# Altium PCB motordriver-v5.2.PcbDoc (part 1 of 7) (continued)
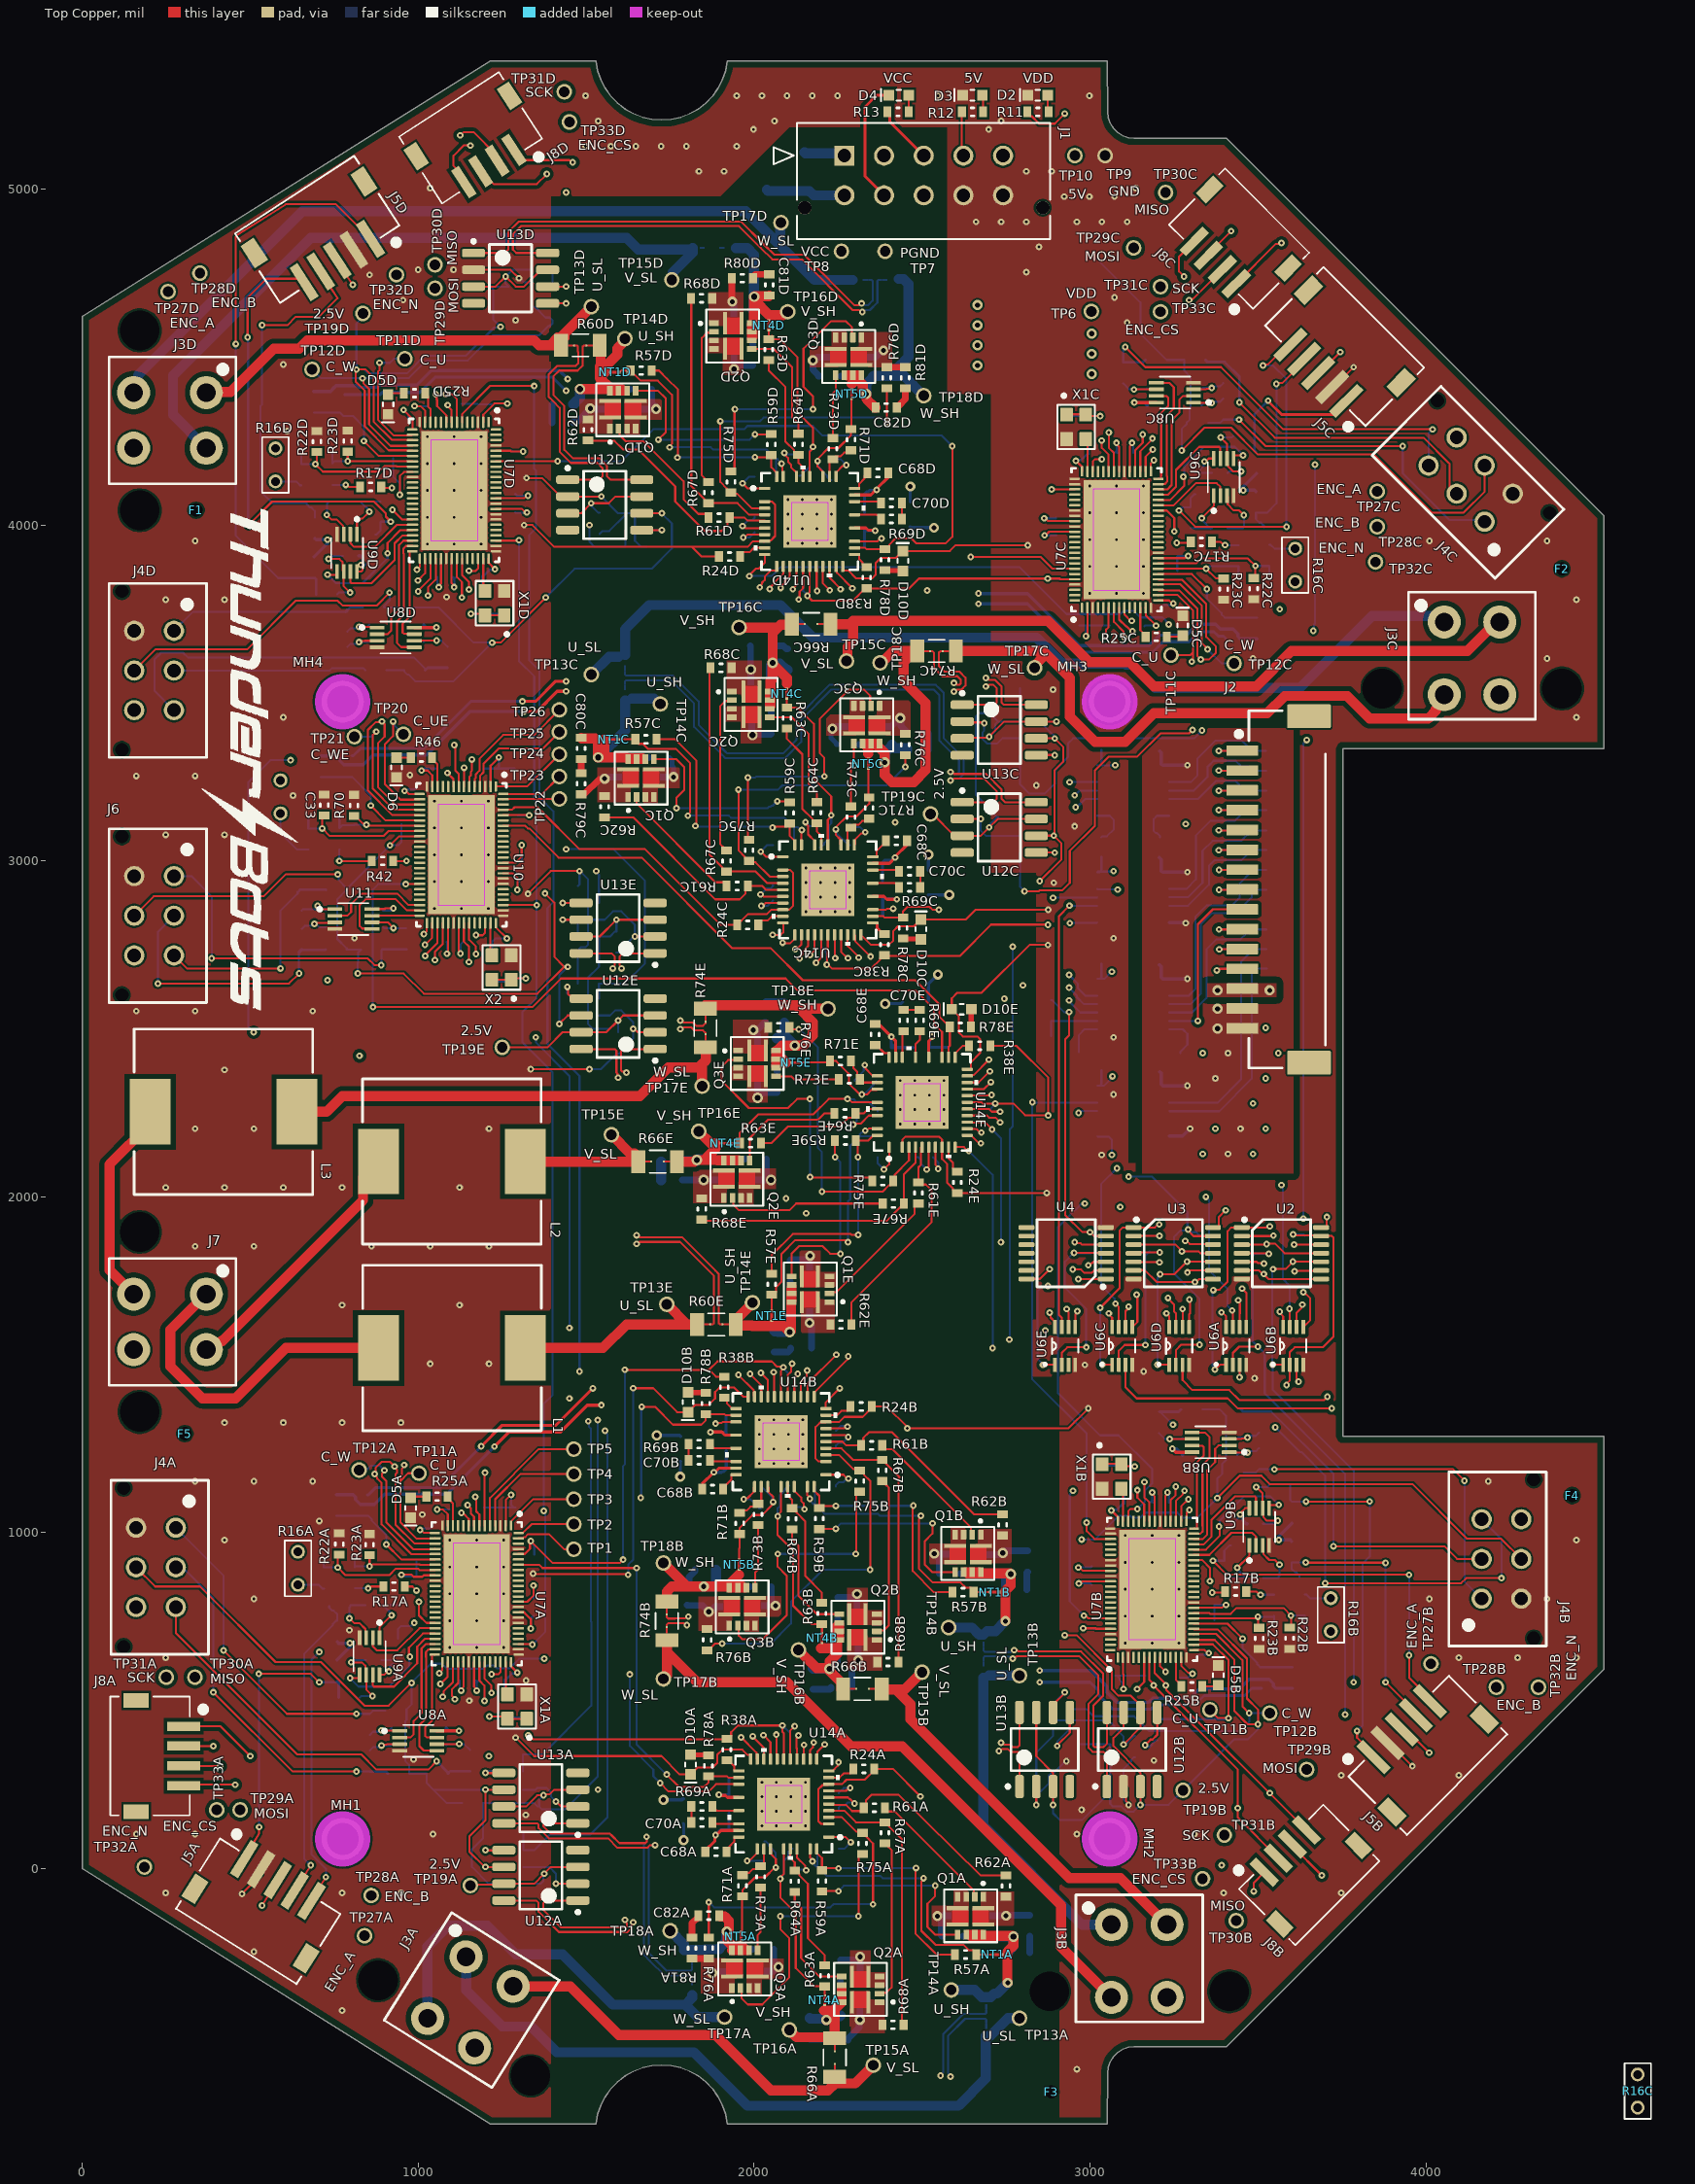
[diagram p0: Top Copper view]
## Design rules (kind name [scope] priority, off if disabled: settings) (continued)
Width Width_Signals [InNetClass('Signals')] p2: maxlimit=10 minlimit=6 preferedwidth=6
Width Width_Phases [InNetClass('Phases')] p3: maxlimit=40 minlimit=28 preferedwidth=30
Width Width_VCC [InNetClass('VCC')] p4: maxlimit=40 minlimit=9 preferedwidth=30
Width [All] p5: maxlimit=100 minlimit=6 preferedwidth=15
21 further rules are at their usual default settings.

## Classes and differential pairs
net class DiffPairs: V_SENSE_HA V_SENSE_HB V_SENSE_HC V_SENSE_HD V_SENSE_HE V_SENSE_LA V_SENSE_LB V_SENSE_LC V_SENSE_LD V_SENSE_LE
channel class isolation: U_isolation_0 U_isolation_1
channel class isolation-alt: U_isolation_2 U_isolation_3
component class "LP Filter 11": C52L R77L
net class Phases: U_L1 U_SWA U_SWB U_SWC U_SWD U_SWE UA UB UC UD UE V_L2 V_SWA V_SWB V_SWC V_SWD V_SWE VA VB VC VD VE W_L3 W_SWA W_SWB W_SWC W_SWD W_SWE WA WB WC WD WE
channel class trinamic-controller: "Trinamic Controller 0" "Trinamic Controller 1" "Trinamic Controller 2" "Trinamic Controller 3"
channel class low-pass-filter: "LP Filter 0" "LP Filter 1" "LP Filter 2" "LP Filter 3" "LP Filter 4" "LP Filter 5" "LP Filter 6" "LP Filter 7" "LP Filter 8" "LP Filter 9" "LP Filter 10" "LP Filter 11"
channel class driver-power-stage: "Driver Power Stage 0" "Driver Power Stage 1" "Driver Power Stage 2" "Driver Power Stage 3" "Driver Power Stage 4"
channel class demux: "Demux 0" "Demux 1" "Demux 2" "Demux 3" "Demux 4"
channel class current_amplification: "Current Amplification 0" "Current Amplification 1" "Current Amplification 2" "Current Amplification 3" "Current Amplification 4"
channel class connectors: "Connectors 0" "Connectors 1" "Connectors 2" "Connectors 3"
component class U_isolation_3: C75B C76B U15B
component class Power: C1 C2 D1 D2 D3 D4 J1 R11 R12 R13 TP6 TP7 TP8 TP9 TP10 U1
component class "LP Filter 10": C52K R77K
component class "LP Filter 9": C52J R77J
component class "LP Filter 8": C52I R77I
component class "LP Filter 7": C52H R77H
component class "LP Filter 6": C52G R77G
component class "LP Filter 5": C52F R77F
component class "LP Filter 4": C52E R77E
component class "LP Filter 3": C52D R77D
component class "LP Filter 2": C52C R77C
component class "LP Filter 1": C52B R77B
component class "LP Filter 0": C52A R77A
component class "Demux 4": U6E
component class "Demux 3": U6D
component class "Demux 2": U6C
component class "Demux 1": U6B
component class "Demux 0": U6A
net class HIGHFREQ: CS0 CS0_FILTER CS0_ISO CS1 CS1_FILTER CS1_ISO CS2 CS2_FILTER CS2_ISO CS3 CS3_FILTER CS3_ISO CS4 CS4_FILTER CS4_ISO CTRL_C\S\A CTRL_C\S\B CTRL_C\S\C CTRL_C\S\D CTRL_C\S\E DRV_C\S\A DRV_C\S\B DRV_C\S\C DRV_C\S\D DRV_C\S\E MISO MISO_CTRL0 MISO_CTRL1 MISO_CTRL2 MISO_CTRL3 MISO_CTRL4 MISO_DRV0 MISO_DRV1 MISO_DRV2 MISO_DRV3 MISO_DRV4 MISO_FILTER MISO_ISO MOSI MOSI_FILTER MOSI_ISO MUX_SEL_0 MUX_SEL_1 MUX_SEL_FILTER_0 MUX_SEL_FILTER_1 MUX_SEL_ISO_0 MUX_SEL_ISO_1 SCK SCK_FILTER SCK_ISO ~ENC_CS0 ~ENC_CS1 ~ENC_CS2 ~ENC_CS3
net class Signals: 2.5V_REFA 2.5V_REFB 2.5V_REFC 2.5V_REFD 2.5V_REFE 5VOUTA 5VOUTB 5VOUTC 5VOUTD 5VOUTE 12VOUTA 12VOUTB 12VOUTC 12VOUTD 12VOUTE ADC_VMA ADC_VMB ADC_VMC ADC_VMD ADC_VME CHIP_TEMPA CHIP_TEMPB CHIP_TEMPC CHIP_TEMPD CHIP_TEMPE CHIP_THERMA CHIP_THERMB CHIP_THERMC CHIP_THERMD CHIP_THERME CLK_ENA CLK_ENB CLK_ENC CLK_END CLK_ENE CLKA CLKB CLKC CLKD CLKE CPI_CAPA CPI_CAPB CPI_CAPC CPI_CAPD CPI_CAPE CPIA CPIB CPIC CPID CPIE CPOA CPOB CPOC CPOD CPOE CS0 CS0_FILTER CS0_ISO CS1 CS1_FILTER CS1_ISO CS2 CS2_FILTER CS2_ISO CS3 CS3_FILTER CS3_ISO CS4 CS4_FILTER CS4_ISO CTRL_C\S\A CTRL_C\S\B CTRL_C\S\C CTRL_C\S\D CTRL_C\S\E CTRL_EN CTRL_EN_FILTER CTRL_EN_ISO CUA CUB CUC CUD CUE CUR_OUT1A CUR_OUT1B CUR_OUT1C CUR_OUT1D CUR_OUT1E CUR_OUT2A CUR_OUT2B CUR_OUT2C CUR_OUT2D CUR_OUT2E CUR_UA CUR_UB CUR_UC CUR_UD CUR_UE CUR_WA CUR_WB CUR_WC CUR_WD CUR_WE CVA CVB CVC CVD CVE CWA CWB CWC CWD CWE D\B\G\S\P\I\_\C\S\E DBGSPI_MISOB DBGSPI_MISOC DBGSPI_MISOD DBGSPI_MISOE DBGSPI_MOSIB DBGSPI_MOSIC DBGSPI_MOSID DBGSPI_MOSIE DBGSPI_SCKB DBGSPI_SCKC DBGSPI_SCKD DBGSPI_SCKE DBGSPI_TRGB DBGSPI_TRGC DBGSPI_TRGD DBGSPI_TRGE DIS1A DIS2A DRB_TEMPE DRB_THERME DRV_C\S\A DRV_C\S\B DRV_C\S\C DRV_C\S\D DRV_C\S\E DRV_EN DRV_ENA DRV_ENB DRV_ENC DRV_END ENC_A_CTRLA ENC_A_CTRLB ENC_A_CTRLC ENC_A_CTRLD ENC_AA ENC_AB ENC_AC ENC_AD ENC_B_CTRLA ENC_B_CTRLB ENC_B_CTRLC ENC_B_CTRLD ENC_BA ENC_BB ENC_BC ENC_BD ENC_N_CTRLA ENC_N_CTRLB ENC_N_CTRLC ENC_N_CTRLD ENC_TRIG1A ENC_TRIG1B ENC_TRIG1C ENC_TRIG1D ENC_TRIG2A ENC_TRIG2B ENC_TRIG2C ENC_TRIG2D ENC_TRIG3A ENC_TRIG3B ENC_TRIG3C ENC_TRIG3D ENCA_N ENCB_N ENCC_N ENCD_N FAULT FAULTA FAULTB FAULTC FAULTD HALL_TRIG1A HALL_TRIG1B HALL_TRIG1C HALL_TRIG1D HALL_TRIG1E HALL_TRIG2A HALL_TRIG2B HALL_TRIG2C HALL_TRIG2D HALL_TRIG2E HALL_TRIG3A HALL_TRIG3B HALL_TRIG3C HALL_TRIG3D HALL_TRIG3E HALL_UX_CTRLA HALL_UX_CTRLB HALL_UX_CTRLC HALL_UX_CTRLD HALL_UX_CTRLE HALL_UXA HALL_UXB HALL_UXC HALL_UXD HALL_UXE HALL_V_CTLRA HALL_V_CTLRB HALL_V_CTLRC HALL_V_CTLRD HALL_V_CTLRE HALL_VA HALL_VB HALL_VC HALL_VD HALL_VE HALL_WY_CTRLA HALL_WY_CTRLB HALL_WY_CTRLC HALL_WY_CTRLD HALL_WY_CTRLE HALL_WYA HALL_WYB HALL_WYC HALL_WYD HALL_WYE HSG1A HSG1B HSG1C HSG1D HSG1E HSG2A HSG2B HSG2C HSG2D HSG2E HSG3A HSG3B HSG3C HSG3D HSG3E HSUA HSUB HSUC HSUD HSUE HSVA HSVB HSVC HSVD HSVE HSWA HSWB HSWC HSWD HSWE LED3V3 LED5V LEDA LEDB LEDC LEDD LEDE LEDVCC LSG1A LSG1B LSG1C LSG1D LSG1E LSG2A LSG2B LSG2C LSG2D LSG2E LSG3A LSG3B LSG3C LSG3D LSG3E LSUA LSUB LSUC LSUD LSUE LSVA LSVB LSVC LSVD LSVE LSWA LSWB LSWC LSWD LSWE MOTOR_TEMPA MOTOR_TEMPB MOTOR_TEMPC MOTOR_TEMPD MOTOR_THERMA MOTOR_THERMB MOTOR_THERMC MOTOR_THERMD MUX_SEL_0 MUX_SEL_1 MUX_SEL_FILTER_0 MUX_SEL_FILTER_1 MUX_SEL_ISO_0 MUX_SEL_ISO_1 OUT2E OUT4B SPEA SPEB SPEC SPED SPEE STATUSA STATUSB STATUSC STATUSD STATUSE TESTA TESTB TESTC TESTD TESTE U_FBKA U_FBKB U_FBKC U_FBKD U_FBKE U_SENSEA_N U_SENSEA_P U_SENSEB_N U_SENSEB_P U_SENSEC_N U_SENSEC_P U_SENSED_N U_SENSED_P U_SENSEE_N U_SENSEE_P UHA UHB UHC UHD UHE ULA ULB ULC ULD ULE V_FBKA V_FBKB V_FBKC V_FBKD V_FBKE VCCCORE1A VCCCORE1B VCCCORE1C VCCCORE1D VCCCORE1E VCCCORE2A VCCCORE2B VCCCORE2C VCCCORE2D VCCCORE2E VCCCORE3A VCCCORE3B VCCCORE3C VCCCORE3D VCCCORE3E VCPA VCPB VCPC VCPD VCPE VHA VHB VHC VHD VHE VLA VLB VLC VLD VLE W_FBKA W_FBKB W_FBKC W_FBKD W_FBKE W_SENSEA_N W_SENSEA_P W_SENSEB_N W_SENSEB_P W_SENSEC_N W_SENSEC_P W_SENSED_N W_SENSED_P W_SENSEE_N W_SENSEE_P WHA WHB WHC WHD WHE WLA WLB WLC WLD WLE ~DBGSPI_CSB ~DBGSPI_CSC ~DBGSPI_CSD ~ENC_CS0 ~ENC_CS1 ~ENC_CS2 ~ENC_CS3 ~RST ~RST_ISO
net class PGND: PGND
net class 5V: 5V
net class VDD: 5V 5VOUTA 5VOUTB 5VOUTC 5VOUTD 5VOUTE 12VOUTA 12VOUTB 12VOUTC 12VOUTD 12VOUTE GND VDD
net class VCC: PGND VCC
component class "Trinamic Controller 4": C12E C18E C19E C20E C31 C32 C33 C34 C35 C36 C37 C38 C39 C40 C41 C42 C43 C44 C45 C46 C47 C48 C49 C50 C51 D6 FB2 R34E R35E R36E R41 R42 R43 R44 R45 R46 R47 R48 R49 R50 R51 R52 R53 R54 R70 TP20 TP21 TP22 TP23 TP24 TP25 TP26 U4E U10 U11 X2
component class "Trinamic Controller 3": C5D C6D C7D C8D C10D C11D C12D C13D C14D C15D C16D C17D C18D C19D C20D C21D C22D C23D C24D C25D C26D C27D C28D C29D C30D D5D FB1D R16D R17D R18D R19D R20D R21D R22D R23D R25D R26D R27D R28D R29D R30D R31D R32D R33D R34D R35D R36D R37D TP11D TP12D U7D U8D U9D X1D
component class "Trinamic Controller 2": C5C C6C C7C C8C C10C C11C C12C C13C C14C C15C C16C C17C C18C C19C C20C C21C C22C C23C C24C C25C C26C C27C C28C C29C C30C D5C FB1C R16C R17C R18C R19C R20C R21C R22C R23C R25C R26C R27C R28C R29C R30C R31C R32C R33C R34C R35C R36C R37C TP11C TP12C U7C U8C U9C X1C
component class "Trinamic Controller 1": C5B C6B C7B C8B C10B C11B C12B C13B C14B C15B C16B C17B C18B C19B C20B C21B C22B C23B C24B C25B C26B C27B C28B C29B C30B D5B FB1B R16B R17B R18B R19B R20B R21B R22B R23B R25B R26B R27B R28B R29B R30B R31B R32B R33B R34B R35B R36B R37B TP11B TP12B U7B U8B U9B X1B
component class "Trinamic Controller 0": C5A C6A C7A C8A C10A C11A C12A C13A C14A C15A C16A C17A C18A C19A C20A C21A C22A C23A C24A C25A C26A C27A C28A C29A C30A D5A FB1A R16A R17A R18A R19A R20A R21A R22A R23A R25A R26A R27A R28A R29A R30A R31A R32A R33A R34A R35A R36A R37A TP11A TP12A U7A U8A U9A X1A
component class U_isolation_2: C75A C76A U15A
component class U_isolation_1: C3B C4B R14B R15B U5B
component class U_isolation_0: C3A C4A R14A R15A U5A
component class "Driver Power Stage 4": C59E C60E C61E C62E C63E C64E C65E C66E C67E C68E C69E C70E C71E C72E C73E C74E C77E C78E C79E C80E C81E C82E D10E NT1E NT4E NT5E Q1E Q2E Q3E R24E R38E R57E R58E R59E R60E R61E R62E R63E R64E R65E R66E R67E R68E R69E R71E R72E R73E R74E R75E R76E R78E R79E R80E R81E TP13E TP14E TP15E TP16E TP17E TP18E U14E
component class "Driver Power Stage 3": C59D C60D C61D C62D C63D C64D C65D C66D C67D C68D C69D C70D C71D C72D C73D C74D C77D C78D C79D C80D C81D C82D D10D NT1D NT4D NT5D Q1D Q2D Q3D R24D R38D R57D R58D R59D R60D R61D R62D R63D R64D R65D R66D R67D R68D R69D R71D R72D R73D R74D R75D R76D R78D R79D R80D R81D TP13D TP14D TP15D TP16D TP17D TP18D U14D
component class "Driver Power Stage 2": C59C C60C C61C C62C C63C C64C C65C C66C C67C C68C C69C C70C C71C C72C C73C C74C C77C C78C C79C C80C C81C C82C D10C NT1C NT4C NT5C Q1C Q2C Q3C R24C R38C R57C R58C R59C R60C R61C R62C R63C R64C R65C R66C R67C R68C R69C R71C R72C R73C R74C R75C R76C R78C R79C R80C R81C TP13C TP14C TP15C TP16C TP17C TP18C U14C
component class "Driver Power Stage 1": C59B C60B C61B C62B C63B C64B C65B C66B C67B C68B C69B C70B C71B C72B C73B C74B C77B C78B C79B C80B C81B C82B D10B NT1B NT4B NT5B Q1B Q2B Q3B R24B R38B R57B R58B R59B R60B R61B R62B R63B R64B R65B R66B R67B R68B R69B R71B R72B R73B R74B R75B R76B R78B R79B R80B R81B TP13B TP14B TP15B TP16B TP17B TP18B U14B
component class "Driver Power Stage 0": C59A C60A C61A C62A C63A C64A C65A C66A C67A C68A C69A C70A C71A C72A C73A C74A C77A C78A C79A C80A C81A C82A D10A NT1A NT4A NT5A Q1A Q2A Q3A R24A R38A R57A R58A R59A R60A R61A R62A R63A R64A R65A R66A R67A R68A R69A R71A R72A R73A R74A R75A R76A R78A R79A R80A R81A TP13A TP14A TP15A TP16A TP17A TP18A U14A
component class "Current Amplification 4": C9E C53E C54E C55E C56E C57E C58E R39E R40E R55E R56E TP19E U12E U13E
component class "Current Amplification 3": C9D C53D C54D C55D C56D C57D C58D R39D R40D R55D R56D TP19D U12D U13D
component class "Current Amplification 2": C9C C53C C54C C55C C56C C57C C58C R39C R40C R55C R56C TP19C U12C U13C
component class "Current Amplification 1": C9B C53B C54B C55B C56B C57B C58B R39B R40B R55B R56B TP19B U12B U13B
component class "Current Amplification 0": C9A C53A C54A C55A C56A C57A C58A R39A R40A R55A R56A TP19A U12A U13A
component class "Connectors 3": J3D J4D J5D J8D TP27D TP28D TP29D TP30D TP31D TP32D TP33D
component class "Connectors 2": J3C J4C J5C J8C TP27C TP28C TP29C TP30C TP31C TP32C TP33C
component class "Connectors 1": J3B J4B J5B J8B TP27B TP28B TP29B TP30B TP31B TP32B TP33B
component class "Connectors 0": J3A J4A J5A J8A TP27A TP28A TP29A TP30A TP31A TP32A TP33A
component class UI-JETSON-NANO: F1 F2 F3 F4 F5 J2 MH1 MH2 MH3 MH4 R1 R2 R3 R4 R5 R6 R7 R8 R9 R10 TP1 TP2 TP3 TP4 TP5 U2 U3 U4
component class "Connectors 4": J6 J7 L1 L2 L3
differential pair W_SENSEE: +W_SENSEE_P -W_SENSEE_N
differential pair W_SENSED: +W_SENSED_P -W_SENSED_N
differential pair W_SENSEC: +W_SENSEC_P -W_SENSEC_N
differential pair W_SENSEB: +W_SENSEB_P -W_SENSEB_N
differential pair W_SENSEA: +W_SENSEA_P -W_SENSEA_N
differential pair U_SENSEE: +U_SENSEE_P -U_SENSEE_N
differential pair U_SENSED: +U_SENSED_P -U_SENSED_N
differential pair U_SENSEC: +U_SENSEC_P -U_SENSEC_N
differential pair U_SENSEB: +U_SENSEB_P -U_SENSEB_N
differential pair U_SENSEA: +U_SENSEA_P -U_SENSEA_N

## Components (designator, comment, footprint, x,y, rotation, side; value= is the part's Value field where it differs from the comment)
C1 "10uF 35V" 0805 3011.99,4756.07 r90 bottom value=10uF
C2 "10uF 35V" 0805 2657.99,4762.07 r270 bottom value=10uF
C3A "100nF 50V" 0603 3238.5,2690.74 r180 bottom value=100nF (schematic designator C3)
C3B "100nF 50V" 0603 3238.5,3326.74 r180 bottom value=100nF (schematic designator C3)
C4A "100nF 50V" 0603 3002.5,2694.74 r0 bottom value=100nF (schematic designator C4)
C4B "100nF 50V" 0603 3002.5,3330.74 r0 bottom value=100nF (schematic designator C4)
C5A "100nF 50V" 0603 801.99,1081.56 r270 bottom value=100nF (schematic designator C5)
C5B "100nF 50V" 0603 3556.99,568.39 r90 bottom value=100nF (schematic designator C5)
C5C "100nF 50V" 0603 3450.99,3693.28 r90 bottom value=100nF (schematic designator C5)
C5D "100nF 50V" 0603 734.99,4366.56 r270 bottom value=100nF (schematic designator C5)
C6A "100nF 50V" 0603 1315.72,481.62 r270 bottom value=100nF (schematic designator C6)
C6B "100nF 50V" 0603 3043.26,1168.33 r90 bottom value=100nF (schematic designator C6)
C6C "100nF 50V" 0603 2937.26,4293.23 r90 bottom value=100nF (schematic designator C6)
C6D "100nF 50V" 0603 1248.72,3766.62 r270 bottom value=100nF (schematic designator C6)
C7A "100nF 50V" 0603 718.99,964.07 r270 bottom value=100nF (schematic designator C7)
C7B "100nF 50V" 0603 3639.99,685.88 r90 bottom value=100nF (schematic designator C7)
C7C "100nF 50V" 0603 3533.99,3810.78 r90 bottom value=100nF (schematic designator C7)
C7D "100nF 50V" 0603 651.99,4249.07 r270 bottom value=100nF (schematic designator C7)
C8A "100nF 50V" 0603 810.99,965.07 r270 bottom value=100nF (schematic designator C8)
C8B "100nF 50V" 0603 3547.99,684.88 r90 bottom value=100nF (schematic designator C8)
C8C "100nF 50V" 0603 3441.99,3809.78 r90 bottom value=100nF (schematic designator C8)
C8D "100nF 50V" 0603 743.99,4250.07 r270 bottom value=100nF (schematic designator C8)
C9A "100nF 50V" 0603 1161.5,95 r0 bottom value=100nF (schematic designator C9)
C9B "100nF 50V" 0603 2965,338.5 r90 bottom value=100nF (schematic designator C9)
C9C "100nF 50V" 0603 2823.5,3515 r180 bottom value=100nF (schematic designator C9)
C9D "100nF 50V" 0603 1183.5,4710 r0 bottom value=100nF (schematic designator C9)
C9E "100nF 50V" 0603 1506.5,2685 r0 bottom value=100nF (schematic designator C9)
C10A "100nF 50V" 0603 1051.94,418.63 r0 bottom value=100nF (schematic designator C10)
C10B "100nF 50V" 0603 3307.04,1231.33 r180 bottom value=100nF (schematic designator C10)
C10C "100nF 50V" 0603 3201.04,4356.22 r180 bottom value=100nF (schematic designator C10)
C10D "100nF 50V" 0603 984.94,3703.63 r0 bottom value=100nF (schematic designator C10)
C11A "1000pF 50V" 0603 952.53,418.63 r180 bottom value=1000pF (schematic designator C11)
C11B "1000pF 50V" 0603 3406.45,1231.32 r0 bottom value=1000pF (schematic designator C11)
C11C "1000pF 50V" 0603 3300.45,4356.22 r0 bottom value=1000pF (schematic designator C11)
C11D "1000pF 50V" 0603 885.53,3703.63 r180 bottom value=1000pF (schematic designator C11)
C12A "1000pF 50V" 0603 953.34,371.28 r180 bottom value=1000pF (schematic designator C12)
C12B "1000pF 50V" 0603 3405.64,1278.67 r0 bottom value=1000pF (schematic designator C12)
C12C "1000pF 50V" 0603 3299.64,4403.57 r0 bottom value=1000pF (schematic designator C12)
C12D "1000pF 50V" 0603 886.34,3656.28 r180 bottom value=1000pF (schematic designator C12)
C13A "1000pF 50V" 0603 1051.94,371.38 r0 bottom value=1000pF (schematic designator C13)
C13B "1000pF 50V" 0603 3307.04,1278.57 r180 bottom value=1000pF (schematic designator C13)
C13C "1000pF 50V" 0603 3201.04,4403.46 r180 bottom value=1000pF (schematic designator C13)
C13D "1000pF 50V" 0603 984.94,3656.38 r0 bottom value=1000pF (schematic designator C13)
C14A "100nF 50V" 0603 890.98,651.87 r270 bottom value=100nF (schematic designator C14)
C14B "100nF 50V" 0603 3468.45,995.1 r90 bottom value=100nF (schematic designator C14)
C14C "100nF 50V" 0603 3362.45,4123.88 r90 bottom value=100nF (schematic designator C14)
C14D "100nF 50V" 0603 823.53,3939.85 r270 bottom value=100nF (schematic designator C14)
C15A "4.7uF 16V" 0603 1026.5,915 r180 bottom value=4.7uF (schematic designator C15)
C15B "4.7uF 16V" 0603 3338.5,740 r0 bottom value=4.7uF (schematic designator C15)
C15C "4.7uF 16V" 0603 3228.49,3861.81 r0 bottom value=4.7uF (schematic designator C15)
C15D "4.7uF 16V" 0603 956.96,4199.27 r180 bottom value=4.7uF (schematic designator C15)
C16A "100nF 50V" 0603 1026.5,870 r180 bottom value=100nF (schematic designator C16)
C16B "100nF 50V" 0603 3338.5,785 r0 bottom value=100nF (schematic designator C16)
C16C "100nF 50V" 0603 3228.21,3906.62 r0 bottom value=100nF (schematic designator C16)
C16D "100nF 50V" 0603 956.4,4148.8 r180 bottom value=100nF (schematic designator C16)
C17A "100nF 50V" 0603 1044.07,989.49 r90 bottom value=100nF (schematic designator C17)
C17B "100nF 50V" 0603 3314.91,660.46 r270 bottom value=100nF (schematic designator C17)
C17C "100nF 50V" 0603 3208.91,3785.35 r270 bottom value=100nF (schematic designator C17)
C17D "100nF 50V" 0603 978.23,4277.18 r90 bottom value=100nF (schematic designator C17)
C18A "100nF 50V" 0603 1170.53,592.11 r270 bottom value=100nF (schematic designator C18)
C18B "100nF 50V" 0603 3188.45,1057.84 r90 bottom value=100nF (schematic designator C18)
C18C "100nF 50V" 0603 3082.45,4182.74 r90 bottom value=100nF (schematic designator C18)
C18D "100nF 50V" 0603 1103.53,3877.11 r270 bottom value=100nF (schematic designator C18)
C19A "100nF 50V" 0603 1311.79,804.45 r0 bottom value=100nF (schematic designator C19)
C19B "100nF 50V" 0603 3036.5,845.03 r180 bottom value=100nF (schematic designator C19)
C19C "100nF 50V" 0603 2930.78,3969.23 r180 bottom value=100nF (schematic designator C19)
C19D "100nF 50V" 0603 1256.97,4093.32 r0 bottom value=100nF (schematic designator C19)
C20A "100pF 50V" 0603 890.53,753.27 r90 bottom value=100pF (schematic designator C20)
C20B "100pF 50V" 0603 3468.45,896.68 r270 bottom value=100pF (schematic designator C20)
C20C "100pF 50V" 0603 3362.45,4021.57 r270 bottom value=100pF (schematic designator C20)
C20D "100pF 50V" 0603 823.53,4038.27 r90 bottom value=100pF (schematic designator C20)
C21A "100pF 50V" 0603 843.28,753.27 r90 bottom value=100pF (schematic designator C21)
C21B "100pF 50V" 0603 3515.7,896.68 r270 bottom value=100pF (schematic designator C21)
C21C "100pF 50V" 0603 3409.7,4021.57 r270 bottom value=100pF (schematic designator C21)
C21D "100pF 50V" 0603 776.28,4038.27 r90 bottom value=100pF (schematic designator C21)
C22A "100pF 50V" 0603 843.74,651.87 r270 bottom value=100pF (schematic designator C22)
C22B "100pF 50V" 0603 3515.7,995.1 r90 bottom value=100pF (schematic designator C22)
C22C "100pF 50V" 0603 3409.7,4123.88 r90 bottom value=100pF (schematic designator C22)
C22D "100pF 50V" 0603 776.28,3939.85 r270 bottom value=100pF (schematic designator C22)
C23A "4.7uF 16V" 0603 1289.16,1043.66 r90 bottom value=4.7uF (schematic designator C23)
C23B "4.7uF 16V" 0603 3075,606.5 r270 bottom value=4.7uF (schematic designator C23)
C23C "4.7uF 16V" 0603 2968.42,3732.6 r270 bottom value=4.7uF (schematic designator C23)
C23D "4.7uF 16V" 0603 1226.03,4328.72 r90 bottom value=4.7uF (schematic designator C23)
C24A "470nF 50V" 0603 1195.77,1043.66 r90 bottom value=470nF (schematic designator C24)
C24B "470nF 50V" 0603 3165,606.5 r270 bottom value=470nF (schematic designator C24)
C24C "470nF 50V" 0603 3059.27,3733.11 r270 bottom value=470nF (schematic designator C24)
C24D "470nF 50V" 0603 1129.26,4328.94 r90 bottom value=470nF (schematic designator C24)
C25A "100nF 50V" 0603 1092.99,1037.57 r90 bottom value=100nF (schematic designator C25)
C25B "100nF 50V" 0603 3268.02,600.73 r270 bottom value=100nF (schematic designator C25)
C25C "100nF 50V" 0603 3161.77,3730.45 r270 bottom value=100nF (schematic designator C25)
C25D "100nF 50V" 0603 1025.99,4322.57 r90 bottom value=100nF (schematic designator C25)
C26A "100nF 50V" 0603 1242.37,1043.84 r90 bottom value=100nF (schematic designator C26)
C26B "100nF 50V" 0603 3120,606.5 r270 bottom value=100nF (schematic designator C26)
C26C "100nF 50V" 0603 3013,3732.94 r270 bottom value=100nF (schematic designator C26)
C26D "100nF 50V" 0603 1176.97,4328.49 r90 bottom value=100nF (schematic designator C26)
C27A "100nF 50V" 0603 1313.49,936.07 r0 bottom value=100nF (schematic designator C27)
C27B "100nF 50V" 0603 3045.49,713.88 r180 bottom value=100nF (schematic designator C27)
C27C "100nF 50V" 0603 2939.49,3838.78 r180 bottom value=100nF (schematic designator C27)
C27D "100nF 50V" 0603 1246.49,4221.07 r0 bottom value=100nF (schematic designator C27)
C28A "100nF 50V" 0603 1311.79,753.27 r0 bottom value=100nF (schematic designator C28)
C28B "100nF 50V" 0603 3036.5,900 r180 bottom value=100nF (schematic designator C28)
C28C "100nF 50V" 0603 2930.78,4021.5 r180 bottom value=100nF (schematic designator C28)
C28D "100nF 50V" 0603 1256.97,4038.27 r0 bottom value=100nF (schematic designator C28)
C29A "100nF 50V" 0603 1256.99,594.56 r270 bottom value=100nF (schematic designator C29)
C29B "100nF 50V" 0603 3101.99,1055.39 r90 bottom value=100nF (schematic designator C29)
C29C "100nF 50V" 0603 2995.99,4180.28 r90 bottom value=100nF (schematic designator C29)
C29D "100nF 50V" 0603 1189.99,3879.56 r270 bottom value=100nF (schematic designator C29)
C30A "100nF 50V" 0603 1123.99,591.56 r270 bottom value=100nF (schematic designator C30)
C30B "100nF 50V" 0603 3234.99,1058.39 r90 bottom value=100nF (schematic designator C30)
C30C "100nF 50V" 0603 3128.99,4183.28 r90 bottom value=100nF (schematic designator C30)
C30D "100nF 50V" 0603 1056.99,3876.56 r270 bottom value=100nF (schematic designator C30)
C31 "100nF 50V" 0603 1274.68,2672.78 r270 bottom value=100nF
C32 "100nF 50V" 0603 755.8,3281.72 r270 bottom value=100nF
C33 "100nF 50V" 0603 720,3166.5 r270 top value=100nF
C34 "100nF 50V" 0603 765.43,3165.23 r270 bottom value=100nF
C35 "100nF 50V" 0603 863.49,2853.07 r0 bottom value=100nF
C36 "1000pF 50V" 0603 756.49,2853.07 r180 bottom value=1000pF
C37 "1000pF 50V" 0603 756.49,2803.07 r180 bottom value=1000pF
C38 "1000pF 50V" 0603 863.49,2803.07 r0 bottom value=1000pF
C39 "4.7uF 16V" 0603 981.6,3109.26 r180 bottom value=4.7uF
C40 "100nF 50V" 0603 981.9,3060.27 r180 bottom value=100nF
C41 "100nF 50V" 0603 997.88,3189.65 r90 bottom value=100nF
C42 "100nF 50V" 0603 1133.25,2790.55 r270 bottom value=100nF
C43 "100nF 50V" 0603 1277.97,3004.84 r0 bottom value=100nF
C44 "4.7uF 16V" 0603 1240.7,3243.53 r90 bottom value=4.7uF
C45 "470nF 50V" 0603 1285.89,3243.76 r90 bottom value=470nF
C46 "100nF 50V" 0603 1050,3243.5 r90 bottom value=100nF
C47 "100nF 50V" 0603 1195,3243.5 r90 bottom value=100nF
C48 "100nF 50V" 0603 1265.49,3135.07 r0 bottom value=100nF
C49 "100nF 50V" 0603 1277.97,2951.82 r0 bottom value=100nF
C50 "100nF 50V" 0603 1220.99,2792.07 r270 bottom value=100nF
C51 "100nF 50V" 0603 1083.9,2790.76 r270 bottom value=100nF
C52A "680pF 16V" 0603 3556.49,2914.07 r180 bottom value=680pF (schematic designator C52)
C52B "680pF 16V" 0603 3556.49,2796.07 r180 bottom value=680pF (schematic designator C52)
C52C "680pF 16V" 0603 2884,2447 r90 bottom value=680pF (schematic designator C52)
C52D "680pF 16V" 0603 3555.99,3269.07 r180 bottom value=680pF (schematic designator C52)
C52E "680pF 16V" 0603 3555.99,3209.07 r180 bottom value=680pF (schematic designator C52)
C52F "680pF 16V" 0603 3555.99,3151.07 r180 bottom value=680pF (schematic designator C52)
C52G "680pF 16V" 0603 3555.99,3091.07 r180 bottom value=680pF (schematic designator C52)
C52H "680pF 16V" 0603 3555.99,3032.07 r180 bottom value=680pF (schematic designator C52)
C52I "680pF 16V" 0603 3555.49,3328.07 r180 bottom value=680pF (schematic designator C52)
C52J "680pF 16V" 0603 3556.49,2973.07 r180 bottom value=680pF (schematic designator C52)
C52K "680pF 16V" 0603 3556.99,2737.07 r180 bottom value=680pF (schematic designator C52)
C52L "680pF 16V" 0603 3557.99,2680 r180 bottom value=680pF (schematic designator C52)
C53A "2200pF 50V" 0603 1281.5,105 r0 bottom value=2200pF (schematic designator C53)
C53B "2200pF 50V" 0603 3250,413.5 r90 bottom value=2200pF (schematic designator C53)
C53C "2200pF 50V" 0603 2823.5,2975 r180 bottom value=2200pF (schematic designator C53)
C53D "2200pF 50V" 0603 1648.5,3935 r180 bottom value=2200pF (schematic designator C53)
C53E "2200pF 50V" 0603 1506.5,2635 r0 bottom value=2200pF (schematic designator C53)
C54A "100nF 50V" 0603 1281.5,5 r180 bottom value=100nF (schematic designator C54)
C54B "100nF 50V" 0603 2890,443.5 r90 bottom value=100nF (schematic designator C54)
C54C "100nF 50V" 0603 2823.5,3075 r0 bottom value=100nF (schematic designator C54)
C54D "100nF 50V" 0603 1648.5,4035 r0 bottom value=100nF (schematic designator C54)
C54E "100nF 50V" 0603 1506.5,2540 r180 bottom value=100nF (schematic designator C54)
C55A "100nF 50V" 0603 1360,153.5 r90 bottom value=100nF (schematic designator C55)
C55B "100nF 50V" 0603 2890,255 r270 bottom value=100nF (schematic designator C55)
C55C "100nF 50V" 0603 2726.99,3161.83 r270 bottom value=100nF (schematic designator C55)
C55D "100nF 50V" 0603 1540,4005 r90 bottom value=100nF (schematic designator C55)
C55E "100nF 50V" 0603 1595,2458.5 r90 bottom value=100nF (schematic designator C55)
C56A "2200pF 50V" 0603 1280,340 r0 bottom value=2200pF (schematic designator C56)
C56B "2200pF 50V" 0603 2985,443.5 r90 bottom value=2200pF (schematic designator C56)
C56C "2200pF 50V" 0603 2823.5,3265 r180 bottom value=2200pF (schematic designator C56)
C56D "2200pF 50V" 0603 1368.5,4605 r0 bottom value=2200pF (schematic designator C56)
C56E "2200pF 50V" 0603 1506.5,2925 r0 bottom value=2200pF (schematic designator C56)
C57A "100nF 50V" 0603 1280,235 r180 bottom value=100nF (schematic designator C57)
C57B "100nF 50V" 0603 3135,363.5 r90 bottom value=100nF (schematic designator C57)
C57C "100nF 50V" 0603 2823.5,3365 r0 bottom value=100nF (schematic designator C57)
C57D "100nF 50V" 0603 1368.5,4710 r0 bottom value=100nF (schematic designator C57)
C57E "100nF 50V" 0603 1506.5,2825 r180 bottom value=100nF (schematic designator C57)
C58A "100nF 50V" 0603 1360,-76.5 r90 bottom value=100nF (schematic designator C58)
C58B "100nF 50V" 0603 3150,258.5 r270 bottom value=100nF (schematic designator C58)
C58C "100nF 50V" 0603 2730,3446.5 r270 bottom value=100nF (schematic designator C58)
C58D "100nF 50V" 0603 1270,4678.5 r90 bottom value=100nF (schematic designator C58)
C58E "100nF 50V" 0603 1590,2758.5 r90 bottom value=100nF (schematic designator C58)
C59A "68nF 50V" 0603 2692.61,-200.55 r180 bottom value=0.068uF (schematic designator C59)
C59B "68nF 50V" 0603 2684.73,878.19 r180 bottom value=0.068uF (schematic designator C59)
C59C "68nF 50V" 0603 1614.89,3307.01 r0 bottom value=0.068uF (schematic designator C59)
C59D "68nF 50V" 0603 1560.79,4403.69 r0 bottom value=0.068uF (schematic designator C59)
C59E "68nF 50V" 0603 2107.37,1676.86 r90 bottom value=0.068uF (schematic designator C59)
C60A "100nF 50V" 0603 1956.39,216.77 r0 bottom value=100nF (schematic designator C60)
C60B "100nF 50V" 0603 1948.51,1295.51 r0 bottom value=100nF (schematic designator C60)
C60C "100nF 50V" 0603 2351.11,2889.68 r180 bottom value=100nF (schematic designator C60)
C60D "100nF 50V" 0603 2297.01,3986.36 r180 bottom value=100nF (schematic designator C60)
C60E "100nF 50V" 0603 2524.69,2413.08 r270 bottom value=100nF (schematic designator C60)
C61A "470nF 50V" 0603 1956.39,165.59 r0 bottom value=470nF (schematic designator C61)
C61B "470nF 50V" 0603 1948.51,1244.33 r0 bottom value=470nF (schematic designator C61)
C61C "470nF 50V" 0603 2351.11,2940.86 r180 bottom value=470nF (schematic designator C61)
C61D "470nF 50V" 0603 2297.01,4037.55 r180 bottom value=470nF (schematic designator C61)
C61E "470nF 50V" 0603 2473.51,2413.08 r270 bottom value=470nF (schematic designator C61)
C62A "470nF 50V" 0603 2220.17,59.29 r180 bottom value=470nF (schematic designator C62)
C62B "470nF 50V" 0603 2212.29,1138.03 r180 bottom value=470nF (schematic designator C62)
C62C "470nF 50V" 0603 2087.33,3047.16 r0 bottom value=470nF (schematic designator C62)
C62D "470nF 50V" 0603 2033.23,4143.84 r0 bottom value=470nF (schematic designator C62)
C62E "470nF 50V" 0603 2367.21,2149.3 r90 bottom value=470nF (schematic designator C62)
C63A "470nF 50V" 0603 2115,28.5 r90 bottom value=470nF (schematic designator C63)
C63B "470nF 50V" 0603 2105,1108.5 r90 bottom value=470nF (schematic designator C63)
C63C "470nF 50V" 0603 2195,3071.5 r270 bottom value=470nF (schematic designator C63)
C63D "470nF 50V" 0603 2135,4178.5 r270 bottom value=470nF (schematic designator C63)
C63E "470nF 50V" 0603 2336.5,2255 r0 bottom value=470nF (schematic designator C63)
C64A "68nF 50V" 0603 2256.98,-405.67 r90 bottom value=0.068uF (schematic designator C64)
C64B "68nF 50V" 0603 2249.1,673.07 r90 bottom value=0.068uF (schematic designator C64)
C64C "68nF 50V" 0603 2050.52,3512.12 r270 bottom value=0.068uF (schematic designator C64)
C64D "68nF 50V" 0603 1996.41,4608.81 r270 bottom value=0.068uF (schematic designator C64)
C64E "68nF 50V" 0603 1902.25,2112.49 r0 bottom value=0.068uF (schematic designator C64)
C65A "10uF 50V" 0805 1789.1,171.38 r270 bottom value=10uF (schematic designator C65)
C65B "10uF 50V" 0805 1781.23,1250.12 r270 bottom value=10uF (schematic designator C65)
C65C "10uF 50V" 0805 2518.4,2935.07 r90 bottom value=10uF (schematic designator C65)
C65D "10uF 50V" 0805 2464.29,4031.75 r90 bottom value=10uF (schematic designator C65)
C65E "10uF 50V" 0805 2479.3,2580.37 r180 bottom value=10uF (schematic designator C65)
C66A "2.2uF 35V" 0603 2220.17,177.4 r0 bottom value=2.2uF (schematic designator C66)
C66B "2.2uF 35V" 0603 2212.29,1256.14 r0 bottom value=2.2uF (schematic designator C66)
C66C "2.2uF 35V" 0603 2087.33,2929.05 r180 bottom value=2.2uF (schematic designator C66)
C66D "2.2uF 35V" 0603 2033.23,4025.73 r180 bottom value=2.2uF (schematic designator C66)
C66E "2.2uF 35V" 0603 2485.32,2149.3 r270 bottom value=2.2uF (schematic designator C66)
C67A "2.2uF 35V" 0603 2220.17,220.71 r0 bottom value=2.2uF (schematic designator C67)
C67B "2.2uF 35V" 0603 2212.29,1299.45 r0 bottom value=2.2uF (schematic designator C67)
C67C "2.2uF 35V" 0603 2087.33,2885.75 r180 bottom value=2.2uF (schematic designator C67)
C67D "2.2uF 35V" 0603 2033.23,3982.43 r180 bottom value=2.2uF (schematic designator C67)
C67E "2.2uF 35V" 0603 2528.63,2149.3 r270 bottom value=2.2uF (schematic designator C67)
C68A "100nF 50V" 0603 1886.5,50 r180 top value=100nF (schematic designator C68)
C68B "100nF 50V" 0603 1876.5,1130 r180 top value=100nF (schematic designator C68)
C68C "100nF 50V" 0603 2423.5,3060 r0 top value=100nF (schematic designator C68)
C68D "100nF 50V" 0603 2368.5,4155 r0 top value=100nF (schematic designator C68)
C68E "100nF 50V" 0603 2360,2483.5 r90 top value=100nF (schematic designator C68)
C69A "68nF 50V" 0603 1928.49,-239.93 r0 bottom value=0.068uF (schematic designator C69)
C69B "68nF 50V" 0603 1920.61,838.81 r0 bottom value=0.068uF (schematic designator C69)
C69C "68nF 50V" 0603 2379.01,3346.39 r180 bottom value=0.068uF (schematic designator C69)
C69D "68nF 50V" 0603 2324.91,4443.07 r180 bottom value=0.068uF (schematic designator C69)
C69E "68nF 50V" 0603 2068,2440.98 r270 bottom value=0.068uF (schematic designator C69)
C70A "0.022uF 35V" 0603 1844.49,137.07 r180 top value=0.022uF (schematic designator C70)
C70B "0.022uF 35V" 0603 1836.61,1215.81 r180 top value=0.022uF (schematic designator C70)
C70C "0.022uF 35V" 0603 2463.01,2969.39 r0 top value=0.022uF (schematic designator C70)
C70D "0.022uF 35V" 0603 2408.91,4066.07 r0 top value=0.022uF (schematic designator C70)
C70E "0.022uF 35V" 0603 2444.99,2524.98 r90 top value=0.022uF (schematic designator C70)
C71A "470nF 50V" 0603 2031.21,49.27 r90 bottom value=470nF (schematic designator C71)
C71B "470nF 50V" 0603 2020,1103.5 r90 bottom value=470nF (schematic designator C71)
C71C "470nF 50V" 0603 2285,3078.5 r270 bottom value=470nF (schematic designator C71)
C71D "470nF 50V" 0603 2230.67,4164.97 r270 bottom value=470nF (schematic designator C71)
C71E "470nF 50V" 0603 2331.5,2345 r0 bottom value=470nF (schematic designator C71)
C72A "100nF 50V" 0603 1956.49,115.07 r0 bottom value=100nF (schematic designator C72)
C72B "100nF 50V" 0603 1948.62,1193.81 r0 bottom value=100nF (schematic designator C72)
C72C "100nF 50V" 0603 2351,2991.39 r180 bottom value=100nF (schematic designator C72)
C72D "100nF 50V" 0603 2296.9,4088.07 r180 bottom value=100nF (schematic designator C72)
C72E "100nF 50V" 0603 2422.99,2412.98 r270 bottom value=100nF (schematic designator C72)
C73A "100nF 50V" 0603 1955.99,268.07 r0 bottom value=100nF (schematic designator C73)
C73B "100nF 50V" 0603 1948.12,1346.81 r0 bottom value=100nF (schematic designator C73)
C73C "100nF 50V" 0603 2351.51,2838.39 r180 bottom value=100nF (schematic designator C73)
C73D "100nF 50V" 0603 2297.4,3935.07 r180 bottom value=100nF (schematic designator C73)
C73E "100nF 50V" 0603 2575.99,2413.48 r270 bottom value=100nF (schematic designator C73)
C74A "100nF 50V" 0603 2107.74,333.26 r270 bottom value=100nF (schematic designator C74)
C74B "100nF 50V" 0603 2099.87,1412 r270 bottom value=100nF (schematic designator C74)
C74C "100nF 50V" 0603 2199.76,2773.19 r90 bottom value=100nF (schematic designator C74)
C74D "100nF 50V" 0603 2145.65,3869.88 r90 bottom value=100nF (schematic designator C74)
C74E "100nF 50V" 0603 2641.18,2261.73 r180 bottom value=100nF (schematic designator C74)
C75A "100nF 50V" 0603 3238.5,2372.74 r180 bottom value=100nF (schematic designator C75)
C75B "100nF 50V" 0603 3238.5,3008.74 r180 bottom value=100nF (schematic designator C75)
C76A "100nF 50V" 0603 3002.5,2376.74 r0 bottom value=100nF (schematic designator C76)
C76B "100nF 50V" 0603 3002.5,3012.74 r0 bottom value=100nF (schematic designator C76)
C77A "2.2uF" 0603 2645,-140 r180 bottom (schematic designator C77)
C77B "2.2uF" 0603 2635,935 r180 bottom (schematic designator C77)
C77C "2.2uF" 0603 1665,3250 r0 bottom (schematic designator C77)
C77D "2.2uF" 0603 1610,4345 r0 bottom (schematic designator C77)
C77E "2.2uF" 0603 2165,1730 r90 bottom (schematic designator C77)
C78A "2.2uF" 0603 2315,-361.5 r90 bottom (schematic designator C78)
C78B "2.2uF" 0603 2310,720 r90 bottom (schematic designator C78)
C78C "2.2uF" 0603 1990,3465 r270 bottom (schematic designator C78)
C78D "2.2uF" 0603 1940,4565 r270 bottom (schematic designator C78)
C78E "2.2uF" 0603 1950,2050 r0 bottom (schematic designator C78)
C79A "2.2uF" 0603 1970,-305 r0 bottom (schematic designator C79)
C79B "2.2uF" 0603 1965,780 r0 bottom (schematic designator C79)
C79C "2.2uF" 0603 2335,3400 r180 bottom (schematic designator C79)
C79D "2.2uF" 0603 2280,4500 r180 bottom (schematic designator C79)
C79E "2.2uF" 0603 2010,2395 r270 bottom (schematic designator C79)
C80A "68nF 50V" 0603 2788.5,-250 r0 bottom value=0.068uF (schematic designator C80)
C80B "68nF 50V" 0603 2780,830 r0 bottom value=0.068uF (schematic designator C80)
C80C "68nF 50V" 0603 1485,3335 r270 top value=0.068uF (schematic designator C80)
C80D "68nF 50V" 0603 1430,4360 r180 bottom value=0.068uF (schematic designator C80)
C80E "68nF 50V" 0603 2060,1570 r270 bottom value=0.068uF (schematic designator C80)
C81A "68nF 50V" 0603 2165,-476.5 r270 bottom value=0.068uF (schematic designator C81)
C81B "68nF 50V" 0603 2175,565 r270 bottom value=0.068uF (schematic designator C81)
C81C "68nF 50V" 0603 2100,3600 r90 bottom value=0.068uF (schematic designator C81)
C81D "68nF 50V" 0603 2045,4715 r90 top value=0.068uF (schematic designator C81)
C81E "68nF 50V" 0603 1755,2105 r180 bottom value=0.068uF (schematic designator C81)
C82A "68nF 50V" 0603 1865,-140 r180 top value=0.068uF (schematic designator C82)
C82B "68nF 50V" 0603 1855,890 r180 bottom value=0.068uF (schematic designator C82)
C82C "68nF 50V" 0603 2486.5,3330 r0 bottom value=0.068uF (schematic designator C82)
C82D "68nF 50V" 0603 2393.5,4350 r0 top value=0.068uF (schematic designator C82)
C82E "68nF 50V" 0603 2090,2550 r90 bottom value=0.068uF (schematic designator C82)
D1 "TVS" "DO-214AC, SMA" 2093.9,5053.9 r45 bottom
D2 "0603 2V" "0603 - LED" 2844.53,5280 r180 top
D3 "0603 2V" "0603 - LED" 2650,5280 r180 top
D4 "0603 2V" "0603 - LED" 2430.47,5280 r180 top
D5A "0603 2V" "0603 - LED" 977.14,1074.14 r270 top (schematic designator D5)
D5B "0603 2V" "0603 - LED" 3381.84,575.81 r90 top (schematic designator D5)
D5C "0603 2V" "0603 - LED" 3275.84,3700.71 r90 top (schematic designator D5)
D5D "0603 2V" "0603 - LED" 910.14,4359.14 r270 top (schematic designator D5)
D6 "0603 2V" "0603 - LED" 934.99,3278.54 r270 top
D10A "0603 2V" "0603 - LED2" 1810.78,309.96 r270 top (schematic designator D10)
D10B "0603 2V" "0603 - LED2" 1802.91,1388.7 r270 top (schematic designator D10)
D10C "0603 2V" "0603 - LED2" 2496.72,2796.49 r90 top (schematic designator D10)
D10D "0603 2V" "0603 - LED2" 2442.61,3893.18 r90 top (schematic designator D10)
D10E "0603 2V" "0603 - LED2" 2617.88,2558.69 r180 top (schematic designator D10)
F1 "Fiducial" Fiducial 338.38,4044.32 r90 top
F2 "Fiducial" Fiducial 4405,3870 r90 top
F3 "Fiducial" Fiducial 2885,-665 r90 top
F4 "Fiducial" Fiducial 4435.55,1110.77 r0 top
F5 "Fiducial" Fiducial 305,1295 r90 top